# KiCad board fpga_panelized.kicad_pcb
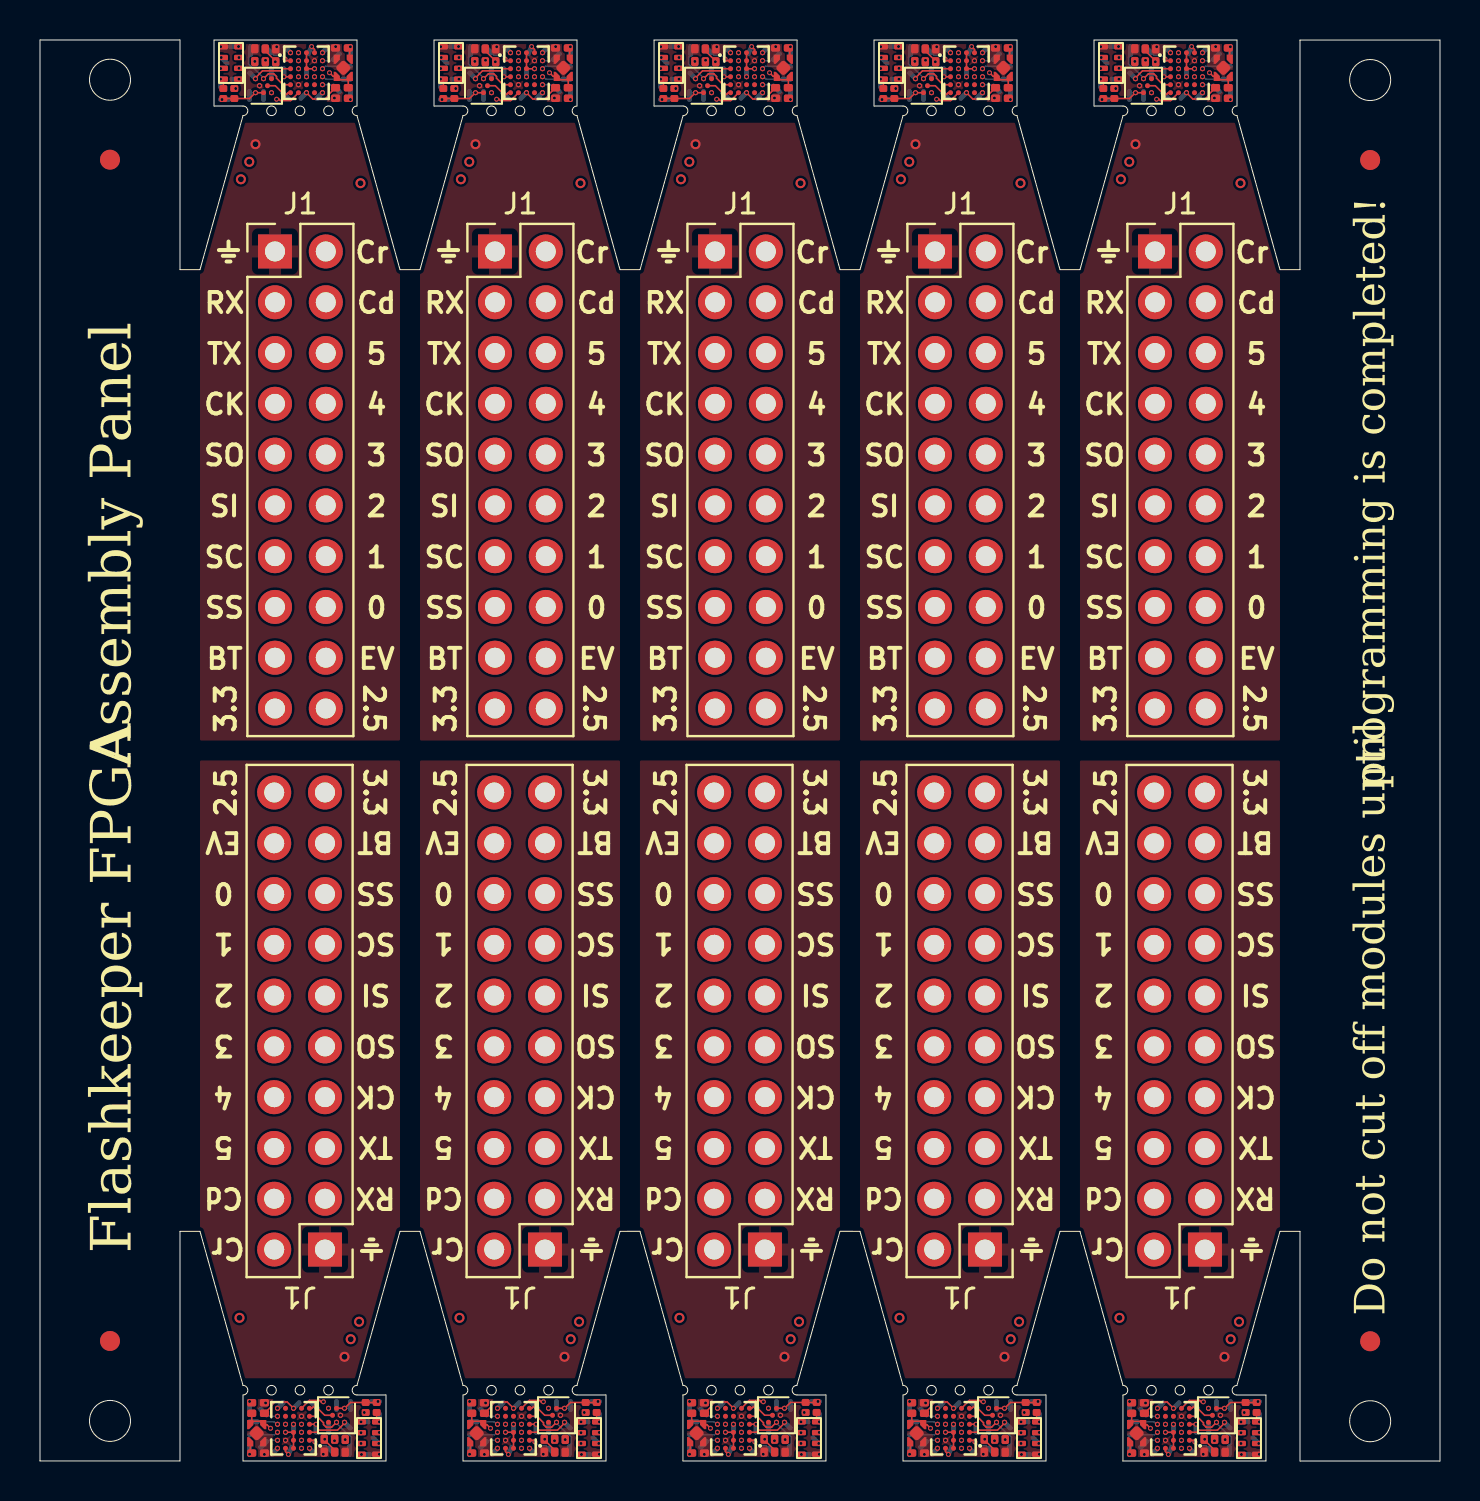
[diagram p0: board, top side]
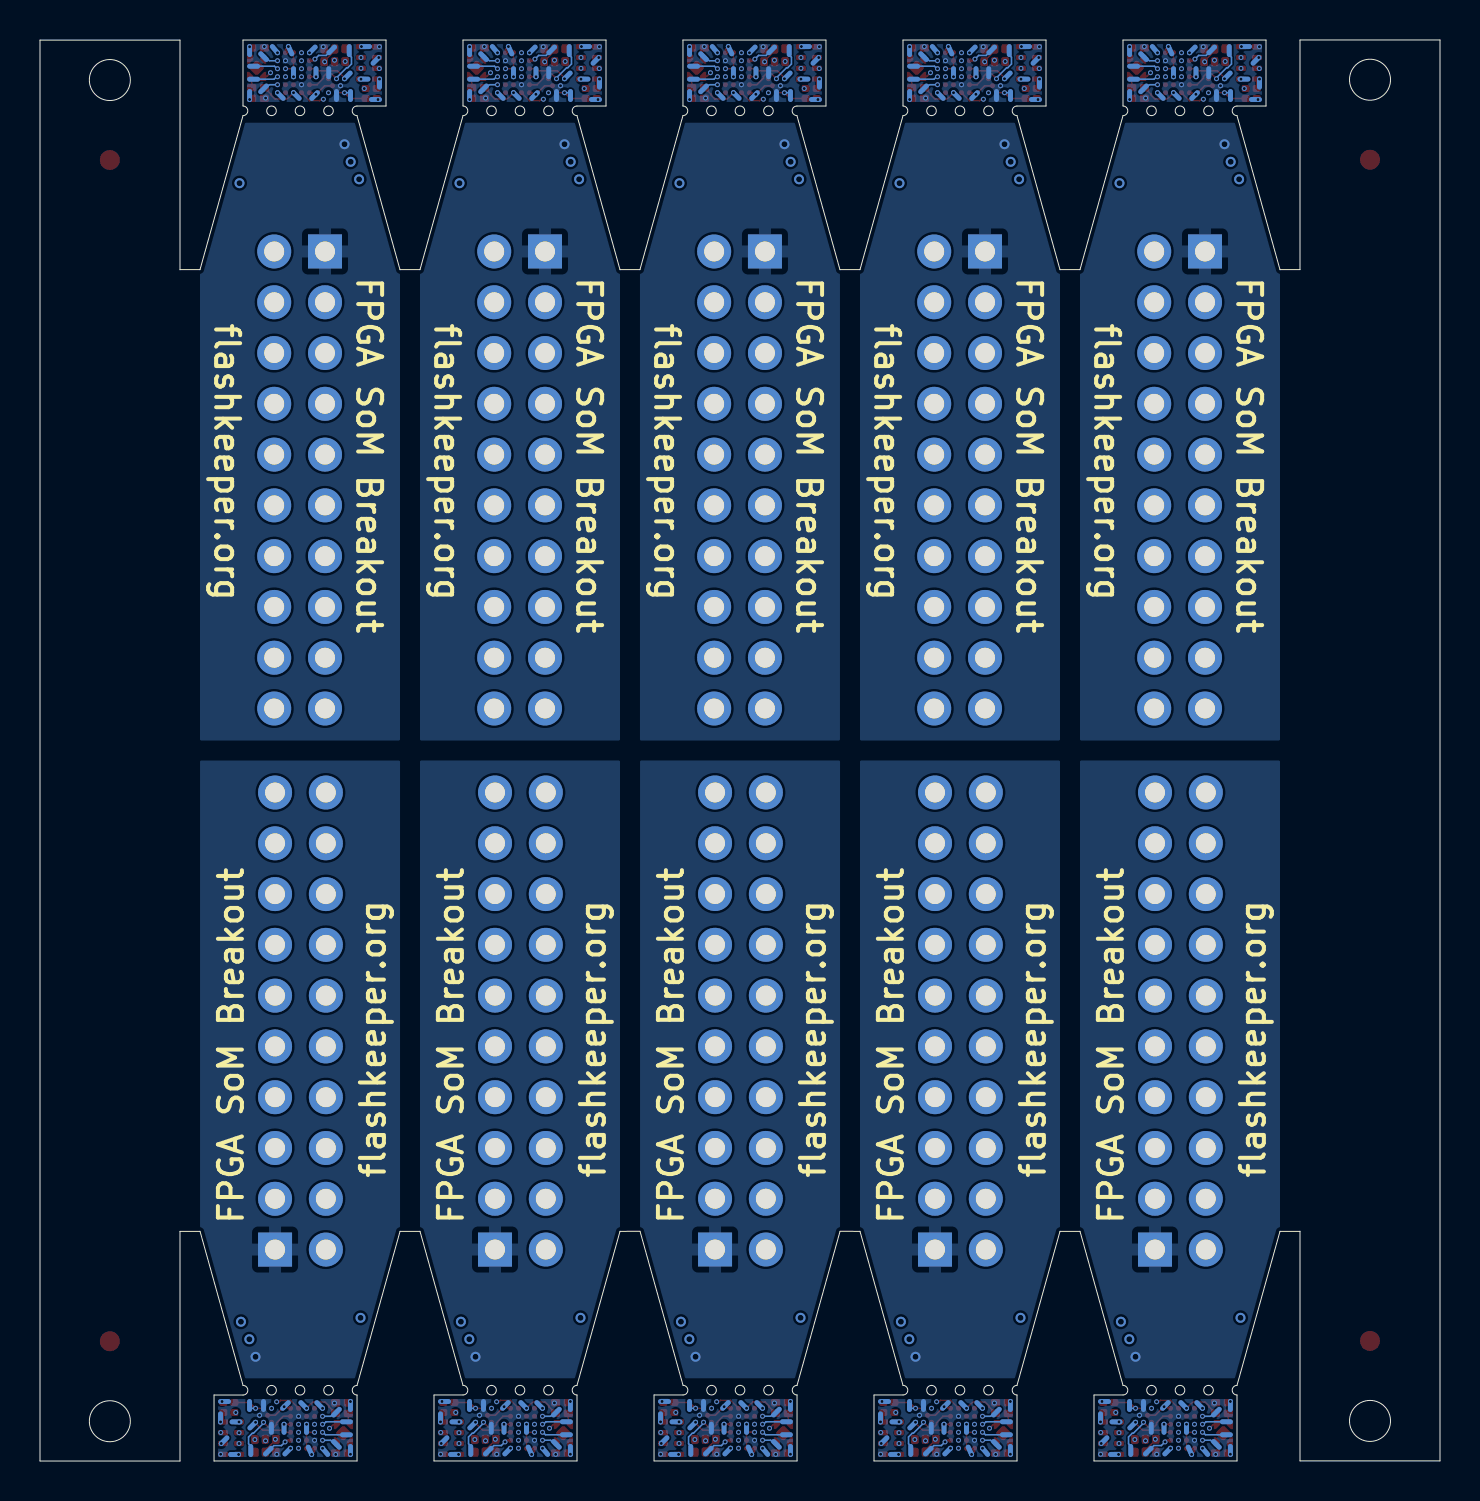
[diagram p1: board, bottom side, seen from below]

Outline 70 x 71.08 mm; copper layers: Top, In1.Cu, In2.Cu, In3.Cu, In4.Cu, Bottom. Coordinates in mm from the lower left corner of the outline.
Outline path: circle c3.5,69.09 r1.03 ; circle c3.5,2.01 r1.03 ; circle c11.57,67.53 r0.24 ; circle c11.58,3.54 r0.24 ; circle c13,67.53 r0.24 ; circle c13,3.54 r0.24 ; circle c14.42,67.53 r0.24 ; circle c14.43,3.54 r0.24 ; circle c22.57,67.53 r0.24 ; circle c22.58,3.54 r0.24 ; circle c24,67.53 r0.24 ; circle c24,3.54 r0.24 ; circle c25.42,67.53 r0.24 ; circle c25.43,3.54 r0.24 ; circle c33.57,3.54 r0.24 ; circle c33.58,67.53 r0.24 ; circle c35,3.54 r0.24 ; circle c35,67.53 r0.24 ; circle c36.42,3.54 r0.24 ; circle c36.43,67.53 r0.24 ; circle c44.57,67.53 r0.24 ; circle c44.58,3.54 r0.24 ; circle c46,67.53 r0.24 ; circle c46,3.54 r0.24 ; circle c47.42,67.53 r0.24 ; circle c47.43,3.54 r0.24 ; circle c55.57,3.54 r0.24 ; circle c55.57,67.53 r0.24 ; circle c57,3.54 r0.24 ; circle c57,67.53 r0.24 ; circle c58.42,3.54 r0.24 ; circle c58.42,67.53 r0.24 ; circle c66.51,69.07 r1.03 ; circle c66.51,1.99 r1.03 ; 7,59.59 8,59.59 ; 7,59.59 7,71.08 0,71.08 0,0.01 7,0.01 7,11.49 ; 7,11.49 8,11.49 10.15,3.78 arc(10.39,3.54) 10.15,3.3 10.15,0 17.3,0 17.3,3.3 15.85,3.3 arc(15.61,3.54) 15.85,3.78 18,11.49 19,11.49 21.15,3.78 arc(21.39,3.54) 21.15,3.3 21.15,0 28.3,0 28.3,3.3 26.85,3.3 arc(26.61,3.54) 26.85,3.78 29,11.49 30,11.49 32.15,3.78 arc(32.39,3.54) 32.15,3.3 32.15,0 39.3,0 39.3,3.3 37.85,3.3 arc(37.61,3.54) 37.85,3.78 40,11.49 41,11.49 43.15,3.78 arc(43.39,3.54) 43.15,3.3 43.15,0 50.3,0 50.3,3.3 48.85,3.3 arc(48.61,3.54) 48.85,3.78 51,11.49 52,11.49 ; 8,59.59 10.15,67.29 arc(10.39,67.53) 10.15,67.77 8.7,67.77 8.7,71.07 15.85,71.07 15.85,67.77 arc(15.61,67.53) 15.85,67.29 18,59.59 19,59.59 21.15,67.29 arc(21.39,67.53) 21.15,67.77 19.7,67.77 19.7,71.07 26.85,71.07 26.85,67.77 arc(26.61,67.53) 26.85,67.29 29,59.59 30,59.59 32.15,67.29 arc(32.39,67.53) 32.15,67.77 30.7,67.77 30.7,71.07 37.85,71.07 37.85,67.77 arc(37.61,67.53) 37.85,67.29 40,59.59 41,59.59 43.15,67.29 arc(43.39,67.53) 43.15,67.77 41.7,67.77 41.7,71.07 48.85,71.07 48.85,67.77 arc(48.61,67.53) 48.85,67.29 51,59.59 52,59.59 54.15,67.29 arc(54.39,67.53) 54.15,67.77 52.7,67.77 52.7,71.07 59.85,71.07 59.85,67.77 arc(59.61,67.53) 59.85,67.29 62,59.59 63,59.59 ; 52,11.49 54.15,3.78 arc(54.39,3.54) 54.15,3.3 54.15,0 61.3,0 61.3,3.3 59.85,3.3 arc(59.61,3.54) 59.85,3.78 62,11.49 63,11.48 ; 63,59.58 63,71.07 70,71.07 70,0 63,0 63,11.48
Stack: Top 0.035mm / dielectric 0.1mm FR4 er 4.5 / In1.Cu 0.035mm / dielectric 0.135mm FR4 er 4.5 / In2.Cu 0.035mm / dielectric 0.1mm FR4 er 4.5 / In3.Cu 0.035mm / dielectric 0.135mm FR4 er 4.5 / In4.Cu 0.035mm / dielectric 0.1mm FR4 er 4.5 / Bottom 0.035mm

## Placement (name value [footprint] x y rotation side)
C1  4.7 uF  [C_Smaller_0201]  11.79 70.31 90 top
C1#2  4.7 uF  [C_Smaller_0201]  44.79 70.31 90 top  (not fitted)
C1#3  4.7 uF  [C_Smaller_0201]  25.21 0.77 270 top  (not fitted)
C1#4  4.7 uF  [C_Smaller_0201]  55.79 70.31 90 top
C1#5  4.7 uF  [C_Smaller_0201]  58.21 0.77 270 top  (not fitted)
C1#6  4.7 uF  [C_Smaller_0201]  36.21 0.77 270 top
C1#7  4.7 uF  [C_Smaller_0201]  47.21 0.77 270 top  (not fitted)
C1#8  4.7 uF  [C_Smaller_0201]  22.79 70.31 90 top  (not fitted)
C1#9  4.7 uF  [C_Smaller_0201]  14.21 0.77 270 top  (not fitted)
C1#10  4.7 uF  [C_Smaller_0201]  33.79 70.31 90 top  (not fitted)
C2  4.7 uF  [C_Smaller_0201]  37.1 70.68 180 top  (not fitted)
C2#2  4.7 uF  [C_Smaller_0201]  15.09 70.68 180 top
C2#3  4.7 uF  [C_Smaller_0201]  54.9 0.4 0 top  (not fitted)
C2#4  4.7 uF  [C_Smaller_0201]  10.91 0.4 0 top  (not fitted)
C2#5  4.7 uF  [C_Smaller_0201]  48.09 70.68 180 top  (not fitted)
C2#6  4.7 uF  [C_Smaller_0201]  21.91 0.4 0 top  (not fitted)
C2#7  4.7 uF  [C_Smaller_0201]  26.09 70.68 180 top  (not fitted)
C2#8  4.7 uF  [C_Smaller_0201]  59.09 70.68 180 top
C2#9  4.7 uF  [C_Smaller_0201]  32.9 0.4 0 top
C2#10  4.7 uF  [C_Smaller_0201]  43.91 0.4 0 top  (not fitted)
C3  4.7 uF  [C_Smaller_0201]  32.74 70.32 270 top  (not fitted)
C3#2  4.7 uF  [C_Smaller_0201]  21.74 70.32 270 top  (not fitted)
C3#3  4.7 uF  [C_Smaller_0201]  59.26 0.76 90 top  (not fitted)
C3#4  4.7 uF  [C_Smaller_0201]  43.74 70.32 270 top  (not fitted)
C3#5  4.7 uF  [C_Smaller_0201]  48.26 0.76 90 top  (not fitted)
C3#6  4.7 uF  [C_Smaller_0201]  54.74 70.32 270 top
C3#7  4.7 uF  [C_Smaller_0201]  15.26 0.76 90 top  (not fitted)
C3#8  4.7 uF  [C_Smaller_0201]  10.74 70.32 270 top
C3#9  4.7 uF  [C_Smaller_0201]  26.26 0.76 90 top  (not fitted)
C3#10  4.7 uF  [C_Smaller_0201]  37.26 0.76 90 top
C4  4.7 uF  [C_Smaller_0201]  37.1 68.16 0 top  (not fitted)
C4#2  4.7 uF  [C_Smaller_0201]  26.1 68.16 0 top  (not fitted)
C4#3  4.7 uF  [C_Smaller_0201]  10.9 2.91 180 top  (not fitted)
C4#4  4.7 uF  [C_Smaller_0201]  54.9 2.91 180 top  (not fitted)
C4#5  4.7 uF  [C_Smaller_0201]  59.1 68.16 0 top
C4#6  4.7 uF  [C_Smaller_0201]  21.9 2.91 180 top  (not fitted)
C4#7  4.7 uF  [C_Smaller_0201]  43.9 2.91 180 top  (not fitted)
C4#8  4.7 uF  [C_Smaller_0201]  48.1 68.16 0 top  (not fitted)
C4#9  4.7 uF  [C_Smaller_0201]  15.1 68.16 0 top
C4#10  4.7 uF  [C_Smaller_0201]  32.9 2.92 180 top
J1  Conn_02x09_Odd_Even  [PinHeader_2x10_P2.54mm_Vertical]  11.75 60.5 0 top  (not fitted)
J1#2  Conn_02x09_Odd_Even  [PinHeader_2x10_P2.54mm_Vertical]  55.75 60.5 0 top  (not fitted)
J1#3  Conn_02x09_Odd_Even  [PinHeader_2x10_P2.54mm_Vertical]  44.75 60.5 0 top  (not fitted)
J1#4  Conn_02x09_Odd_Even  [PinHeader_2x10_P2.54mm_Vertical]  33.75 60.5 0 top  (not fitted)
J1#5  Conn_02x09_Odd_Even  [PinHeader_2x10_P2.54mm_Vertical]  47.25 10.58 180 top  (not fitted)
J1#6  Conn_02x09_Odd_Even  [PinHeader_2x10_P2.54mm_Vertical]  22.75 60.5 0 top  (not fitted)
J1#7  Conn_02x09_Odd_Even  [PinHeader_2x10_P2.54mm_Vertical]  36.25 10.58 180 top  (not fitted)
J1#8  Conn_02x09_Odd_Even  [PinHeader_2x10_P2.54mm_Vertical]  58.25 10.58 180 top  (not fitted)
J1#9  Conn_02x09_Odd_Even  [PinHeader_2x10_P2.54mm_Vertical]  14.25 10.58 180 top  (not fitted)
J1#10  Conn_02x09_Odd_Even  [PinHeader_2x10_P2.54mm_Vertical]  25.25 10.58 180 top  (not fitted)
R1  10k  [R_Smaller_0201]  48.09 68.69 180 top  (not fitted)
R1#2  10k  [R_Smaller_0201]  15.09 68.69 180 top
R1#3  10k  [R_Smaller_0201]  43.91 2.39 0 top  (not fitted)
R1#4  10k  [R_Smaller_0201]  32.9 2.39 0 top
R1#5  10k  [R_Smaller_0201]  37.1 68.69 180 top  (not fitted)
R1#6  10k  [R_Smaller_0201]  59.09 68.69 180 top
R1#7  10k  [R_Smaller_0201]  54.9 2.39 0 top  (not fitted)
R1#8  10k  [R_Smaller_0201]  10.91 2.39 0 top  (not fitted)
R1#9  10k  [R_Smaller_0201]  21.91 2.39 0 top  (not fitted)
R1#10  10k  [R_Smaller_0201]  26.09 68.69 180 top  (not fitted)
R3  100  [R_Smaller_0201]  25.73 0.77 270 top  (not fitted)
R3#2  100  [R_Smaller_0201]  47.74 0.77 270 top  (not fitted)
R3#3  100  [R_Smaller_0201]  58.73 0.77 270 top  (not fitted)
R3#4  100  [R_Smaller_0201]  33.27 70.31 90 top  (not fitted)
R3#5  100  [R_Smaller_0201]  44.27 70.31 90 top  (not fitted)
R3#6  100  [R_Smaller_0201]  11.27 70.31 90 top
R3#7  100  [R_Smaller_0201]  14.73 0.77 270 top  (not fitted)
R3#8  100  [R_Smaller_0201]  22.27 70.31 90 top  (not fitted)
R3#9  100  [R_Smaller_0201]  55.27 70.31 90 top
R3#10  100  [R_Smaller_0201]  36.73 0.77 270 top
REF**  -  [Fiducial_1mm_Mask2mm]  3.5 65.09 0 top
REF**#2  -  [Fiducial_1mm_Mask2mm]  66.51 65.07 0 top
REF**#3  -  [Fiducial_1mm_Mask2mm]  3.5 6.01 0 top
REF**#4  -  [Fiducial_1mm_Mask2mm]  66.51 5.99 0 top
RN1  10k  [YC102]  42.44 68.4 0 top  (not fitted)
RN1#2  10k  [YC102]  31.44 68.4 0 top  (not fitted)
RN1#3  10k  [YC102]  16.56 2.68 180 top  (not fitted)
RN1#4  10k  [YC102]  38.56 2.68 180 top
RN1#5  10k  [YC102]  60.56 2.68 180 top  (not fitted)
RN1#6  10k  [YC102]  27.56 2.68 180 top  (not fitted)
RN1#7  10k  [YC102]  49.56 2.68 180 top  (not fitted)
RN1#8  10k  [YC102]  9.44 68.4 0 top
RN1#9  10k  [YC102]  20.44 68.4 0 top  (not fitted)
RN1#10  10k  [YC102]  53.44 68.4 0 top
TP1  ~  [FPGACenterPad]  13.32 69.24 0 top
TP1#2  ~  [FPGACenterPad]  45.68 1.84 180 top
TP1#3  ~  [FPGACenterPad]  24.32 69.24 0 top
TP1#4  ~  [FPGACenterPad]  57.32 69.24 0 top
TP1#5  ~  [FPGACenterPad]  56.67 1.84 180 top
TP1#6  ~  [FPGACenterPad]  35.33 69.24 0 top
TP1#7  ~  [FPGACenterPad]  23.68 1.84 180 top
TP1#8  ~  [FPGACenterPad]  34.67 1.84 180 top
TP1#9  ~  [FPGACenterPad]  12.68 1.84 180 top
TP1#10  ~  [FPGACenterPad]  46.32 69.24 0 top
TP2  ~  [FPGACenterPad]  44.88 0.64 140 top
TP2#2  ~  [FPGACenterPad]  11.88 0.64 140 top
TP2#3  ~  [FPGACenterPad]  47.12 70.44 320 top
TP2#4  ~  [FPGACenterPad]  25.12 70.44 320 top
TP2#5  ~  [FPGACenterPad]  58.12 70.44 320 top
TP2#6  ~  [FPGACenterPad]  14.12 70.44 320 top
TP2#7  ~  [FPGACenterPad]  22.88 0.64 140 top
TP2#8  ~  [FPGACenterPad]  55.87 0.64 140 top
TP2#9  ~  [FPGACenterPad]  33.87 0.64 140 top
TP2#10  ~  [FPGACenterPad]  36.13 70.44 320 top
TP3  ~  [FPGACenterPad]  33.32 0.97 135 top
TP3#2  ~  [FPGACenterPad]  47.68 70.1 315 top
TP3#3  ~  [FPGACenterPad]  14.68 70.1 315 top
TP3#4  ~  [FPGACenterPad]  58.68 70.1 315 top
TP3#5  ~  [FPGACenterPad]  44.32 0.97 135 top
TP3#6  ~  [FPGACenterPad]  11.32 0.97 135 top
TP3#7  ~  [FPGACenterPad]  22.32 0.97 135 top
TP3#8  ~  [FPGACenterPad]  36.68 70.1 315 top
TP3#9  ~  [FPGACenterPad]  25.68 70.1 315 top
TP3#10  ~  [FPGACenterPad]  55.32 0.97 135 top
TP4  ~  [FPGACenterPad]  43.48 1.31 270 top
TP4#2  ~  [FPGACenterPad]  54.48 1.31 270 top
TP4#3  ~  [FPGACenterPad]  37.52 69.76 90 top
TP4#4  ~  [FPGACenterPad]  32.48 1.31 270 top
TP4#5  ~  [FPGACenterPad]  48.52 69.76 90 top
TP4#6  ~  [FPGACenterPad]  15.52 69.76 90 top
TP4#7  ~  [FPGACenterPad]  59.52 69.76 90 top
TP4#8  ~  [FPGACenterPad]  26.52 69.76 90 top
TP4#9  ~  [FPGACenterPad]  21.48 1.31 270 top
TP4#10  ~  [FPGACenterPad]  10.48 1.31 270 top
TP5  ~  [FPGACenterPad]  25.68 68.77 225 top
TP5#2  ~  [FPGACenterPad]  36.68 68.77 225 top
TP5#3  ~  [FPGACenterPad]  14.68 68.77 225 top
TP5#4  ~  [FPGACenterPad]  33.32 2.3 45 top
TP5#5  ~  [FPGACenterPad]  11.32 2.3 45 top
TP5#6  ~  [FPGACenterPad]  22.32 2.3 45 top
TP5#7  ~  [FPGACenterPad]  58.68 68.77 225 top
TP5#8  ~  [FPGACenterPad]  44.32 2.3 45 top
TP5#9  ~  [FPGACenterPad]  55.32 2.3 45 top
TP5#10  ~  [FPGACenterPad]  47.68 68.77 225 top
TP6  ~  [FPGACenterPad]  43.48 1.96 270 top
TP6#2  ~  [FPGACenterPad]  26.52 69.11 90 top
TP6#3  ~  [FPGACenterPad]  15.52 69.11 90 top
TP6#4  ~  [FPGACenterPad]  37.52 69.11 90 top
TP6#5  ~  [FPGACenterPad]  21.48 1.96 270 top
TP6#6  ~  [FPGACenterPad]  59.52 69.11 90 top
TP6#7  ~  [FPGACenterPad]  10.48 1.96 270 top
TP6#8  ~  [FPGACenterPad]  32.48 1.96 270 top
TP6#9  ~  [FPGACenterPad]  54.48 1.96 270 top
TP6#10  ~  [FPGACenterPad]  48.52 69.11 90 top
TP7  ~  [FPGACenterPad]  44.88 2.64 315 top
TP7#2  ~  [FPGACenterPad]  22.88 2.64 315 top
TP7#3  ~  [FPGACenterPad]  33.87 2.64 315 top
TP7#4  ~  [FPGACenterPad]  36.13 68.44 135 top
TP7#5  ~  [FPGACenterPad]  55.87 2.64 315 top
TP7#6  ~  [FPGACenterPad]  11.88 2.64 315 top
TP7#7  ~  [FPGACenterPad]  25.12 68.44 135 top
TP7#8  ~  [FPGACenterPad]  47.12 68.44 135 top
TP7#9  ~  [FPGACenterPad]  58.12 68.44 135 top
TP7#10  ~  [FPGACenterPad]  14.12 68.44 135 top
TP8  ~  [FPGACenterPad]  46.58 70.75 155 top
TP8#2  ~  [FPGACenterPad]  56.42 0.33 335 top
TP8#3  ~  [FPGACenterPad]  34.42 0.33 335 top
TP8#4  ~  [FPGACenterPad]  45.42 0.33 335 top
TP8#5  ~  [FPGACenterPad]  35.58 70.75 155 top
TP8#6  ~  [FPGACenterPad]  24.58 70.75 155 top
TP8#7  ~  [FPGACenterPad]  57.58 70.75 155 top
TP8#8  ~  [FPGACenterPad]  23.42 0.33 335 top
TP8#9  ~  [FPGACenterPad]  13.58 70.75 155 top
TP8#10  ~  [FPGACenterPad]  12.42 0.33 335 top
TP9  ~  [FPGACenterPad]  48.53 2.98 180 top
TP9#2  ~  [FPGACenterPad]  37.52 2.98 180 top
TP9#3  ~  [FPGACenterPad]  54.47 68.1 0 top
TP9#4  ~  [FPGACenterPad]  26.53 2.98 180 top
TP9#5  ~  [FPGACenterPad]  32.48 68.1 0 top
TP9#6  ~  [FPGACenterPad]  21.47 68.1 0 top
TP9#7  ~  [FPGACenterPad]  59.52 2.98 180 top
TP9#8  ~  [FPGACenterPad]  43.47 68.1 0 top
TP9#9  ~  [FPGACenterPad]  10.47 68.1 0 top
TP9#10  ~  [FPGACenterPad]  15.53 2.98 180 top
TP10  ~  [FPGACenterPad]  34.53 70.44 45 top
TP10#2  ~  [FPGACenterPad]  56.52 70.44 45 top
TP10#3  ~  [FPGACenterPad]  24.48 0.64 225 top
TP10#4  ~  [FPGACenterPad]  57.47 0.64 225 top
TP10#5  ~  [FPGACenterPad]  12.52 70.44 45 top
TP10#6  ~  [FPGACenterPad]  13.48 0.64 225 top
TP10#7  ~  [FPGACenterPad]  35.47 0.64 225 top
TP10#8  ~  [FPGACenterPad]  23.52 70.44 45 top
TP10#9  ~  [FPGACenterPad]  45.52 70.44 45 top
TP10#10  ~  [FPGACenterPad]  46.48 0.64 225 top
TP11  ~  [FPGACenterPad]  32 69.12 90 top
TP11#2  ~  [FPGACenterPad]  21 69.12 90 top
TP11#3  ~  [FPGACenterPad]  43 69.12 90 top
TP11#4  ~  [FPGACenterPad]  16 1.96 270 top
TP11#5  ~  [FPGACenterPad]  60 1.96 270 top
TP11#6  ~  [FPGACenterPad]  27 1.96 270 top
TP11#7  ~  [FPGACenterPad]  10 69.12 90 top
TP11#8  ~  [FPGACenterPad]  38 1.96 270 top
TP11#9  ~  [FPGACenterPad]  54 69.12 90 top
TP11#10  ~  [FPGACenterPad]  49 1.96 270 top
TP12  ~  [FPGACenterPad]  56.13 68.44 225 top
TP12#2  ~  [FPGACenterPad]  34.13 68.44 225 top
TP12#3  ~  [FPGACenterPad]  24.87 2.64 45 top
TP12#4  ~  [FPGACenterPad]  12.13 68.44 225 top
TP12#5  ~  [FPGACenterPad]  46.87 2.64 45 top
TP12#6  ~  [FPGACenterPad]  35.87 2.64 45 top
TP12#7  ~  [FPGACenterPad]  23.13 68.44 225 top
TP12#8  ~  [FPGACenterPad]  57.87 2.64 45 top
TP12#9  ~  [FPGACenterPad]  13.87 2.64 45 top
TP12#10  ~  [FPGACenterPad]  45.13 68.44 225 top
TP13  ~  [FPGACenterPad]  48.47 0.73 180 top
TP13#2  ~  [FPGACenterPad]  10.54 70.35 0 top
TP13#3  ~  [FPGACenterPad]  37.46 0.73 180 top
TP13#4  ~  [FPGACenterPad]  54.53 70.35 0 top
TP13#5  ~  [FPGACenterPad]  59.46 0.73 180 top
TP13#6  ~  [FPGACenterPad]  21.54 70.35 0 top
TP13#7  ~  [FPGACenterPad]  43.53 70.35 0 top
TP13#8  ~  [FPGACenterPad]  26.47 0.73 180 top
TP13#9  ~  [FPGACenterPad]  32.54 70.35 0 top
TP13#10  ~  [FPGACenterPad]  15.47 0.73 180 top
TP14  ~  [FPGACenterPad]  56.2 69.24 0 top
TP14#2  ~  [FPGACenterPad]  13.8 1.84 180 top
TP14#3  ~  [FPGACenterPad]  24.8 1.84 180 top
TP14#4  ~  [FPGACenterPad]  46.8 1.84 180 top
TP14#5  ~  [FPGACenterPad]  57.8 1.84 180 top
TP14#6  ~  [FPGACenterPad]  34.2 69.24 0 top
TP14#7  ~  [FPGACenterPad]  12.2 69.24 0 top
TP14#8  ~  [FPGACenterPad]  23.2 69.24 0 top
TP14#9  ~  [FPGACenterPad]  45.2 69.24 0 top
TP14#10  ~  [FPGACenterPad]  35.8 1.84 180 top
TP15  ~  [FPGACenterPad]  32.78 69.14 45 top
TP15#2  ~  [FPGACenterPad]  59.22 1.94 225 top
TP15#3  ~  [FPGACenterPad]  54.77 69.14 45 top
TP15#4  ~  [FPGACenterPad]  26.23 1.94 225 top
TP15#5  ~  [FPGACenterPad]  15.23 1.94 225 top
TP15#6  ~  [FPGACenterPad]  43.77 69.14 45 top
TP15#7  ~  [FPGACenterPad]  21.77 69.14 45 top
TP15#8  ~  [FPGACenterPad]  48.23 1.94 225 top
TP15#9  ~  [FPGACenterPad]  10.77 69.14 45 top
TP15#10  ~  [FPGACenterPad]  37.22 1.94 225 top
TP16  ~  [FPGACenterPad]  33.18 68.1 0 top
TP16#2  ~  [FPGACenterPad]  22.17 68.1 0 top
TP16#3  ~  [FPGACenterPad]  58.82 2.98 180 top
TP16#4  ~  [FPGACenterPad]  47.83 2.98 180 top
TP16#5  ~  [FPGACenterPad]  44.17 68.1 0 top
TP16#6  ~  [FPGACenterPad]  14.83 2.98 180 top
TP16#7  ~  [FPGACenterPad]  55.17 68.1 0 top
TP16#8  ~  [FPGACenterPad]  25.83 2.98 180 top
TP16#9  ~  [FPGACenterPad]  36.82 2.98 180 top
TP16#10  ~  [FPGACenterPad]  11.17 68.1 0 top
TP17  ~  [FPGACenterPad]  55.56 70.44 45 top
TP17#2  ~  [FPGACenterPad]  22.56 70.44 45 top
TP17#3  ~  [FPGACenterPad]  11.56 70.44 45 top
TP17#4  ~  [FPGACenterPad]  47.44 0.64 225 top
TP17#5  ~  [FPGACenterPad]  25.45 0.64 225 top
TP17#6  ~  [FPGACenterPad]  33.56 70.44 45 top
TP17#7  ~  [FPGACenterPad]  58.44 0.64 225 top
TP17#8  ~  [FPGACenterPad]  36.44 0.64 225 top
TP17#9  ~  [FPGACenterPad]  14.45 0.64 225 top
TP17#10  ~  [FPGACenterPad]  44.56 70.44 45 top
TP18  ~  [FPGACenterPad]  57.32 68.44 135 top
TP18#2  ~  [FPGACenterPad]  46.32 68.44 135 top
TP18#3  ~  [FPGACenterPad]  12.68 2.64 315 top
TP18#4  ~  [FPGACenterPad]  56.67 2.64 315 top
TP18#5  ~  [FPGACenterPad]  45.68 2.64 315 top
TP18#6  ~  [FPGACenterPad]  23.68 2.64 315 top
TP18#7  ~  [FPGACenterPad]  13.32 68.44 135 top
TP18#8  ~  [FPGACenterPad]  34.67 2.64 315 top
TP18#9  ~  [FPGACenterPad]  35.33 68.44 135 top
TP18#10  ~  [FPGACenterPad]  24.32 68.44 135 top
TP19  ~  [FPGACenterPad]  54.48 2.98 180 top
TP19#2  ~  [FPGACenterPad]  43.48 2.98 180 top
TP19#3  ~  [FPGACenterPad]  15.52 68.1 0 top
TP19#4  ~  [FPGACenterPad]  32.48 2.98 180 top
TP19#5  ~  [FPGACenterPad]  21.48 2.98 180 top
TP19#6  ~  [FPGACenterPad]  48.52 68.1 0 top
TP19#7  ~  [FPGACenterPad]  37.52 68.1 0 top
TP19#8  ~  [FPGACenterPad]  59.52 68.1 0 top
TP19#9  ~  [FPGACenterPad]  26.52 68.1 0 top
TP19#10  ~  [FPGACenterPad]  10.48 2.98 180 top
TP20  ~  [FPGACenterPad]  15.52 70.75 180 top
TP20#2  ~  [FPGACenterPad]  48.52 70.75 180 top
TP20#3  ~  [FPGACenterPad]  59.52 70.75 180 top
TP20#4  ~  [FPGACenterPad]  32.48 0.33 0 top
TP20#5  ~  [FPGACenterPad]  10.48 0.33 0 top
TP20#6  ~  [FPGACenterPad]  26.52 70.75 180 top
TP20#7  ~  [FPGACenterPad]  21.48 0.33 0 top
TP20#8  ~  [FPGACenterPad]  43.48 0.33 0 top
TP20#9  ~  [FPGACenterPad]  37.52 70.75 180 top
TP20#10  ~  [FPGACenterPad]  54.48 0.33 0 top
TP21  ~  [FPGACenterPad]  9.06 70.2 225 top
TP21#2  ~  [FPGACenterPad]  16.94 0.88 45 top
TP21#3  ~  [FPGACenterPad]  42.06 70.2 225 top
TP21#4  ~  [FPGACenterPad]  38.94 0.88 45 top
TP21#5  ~  [FPGACenterPad]  27.94 0.88 45 top
TP21#6  ~  [FPGACenterPad]  20.06 70.2 225 top
TP21#7  ~  [FPGACenterPad]  60.94 0.88 45 top
TP21#8  ~  [FPGACenterPad]  49.94 0.88 45 top
TP21#9  ~  [FPGACenterPad]  53.06 70.2 225 top
TP21#10  ~  [FPGACenterPad]  31.06 70.2 225 top
TP23  ~  [FPGACenterPad]  27.98 1.96 0 top
TP23#2  ~  [FPGACenterPad]  38.97 1.96 0 top
TP23#3  ~  [FPGACenterPad]  60.97 1.96 0 top
TP23#4  ~  [FPGACenterPad]  20.03 69.12 180 top
TP23#5  ~  [FPGACenterPad]  9.03 69.12 180 top
TP23#6  ~  [FPGACenterPad]  16.98 1.96 0 top
TP23#7  ~  [FPGACenterPad]  42.03 69.12 180 top
TP23#8  ~  [FPGACenterPad]  53.03 69.12 180 top
TP23#9  ~  [FPGACenterPad]  49.97 1.96 0 top
TP23#10  ~  [FPGACenterPad]  31.03 69.12 180 top
TP24  ~  [FPGACenterPad]  20.93 70.75 90 top
TP24#2  ~  [FPGACenterPad]  38.07 0.33 270 top
TP24#3  ~  [FPGACenterPad]  60.07 0.33 270 top
TP24#4  ~  [FPGACenterPad]  42.93 70.75 90 top
TP24#5  ~  [FPGACenterPad]  53.93 70.75 90 top
TP24#6  ~  [FPGACenterPad]  27.07 0.33 270 top
TP24#7  ~  [FPGACenterPad]  9.93 70.75 90 top
TP24#8  ~  [FPGACenterPad]  16.07 0.33 270 top
TP24#9  ~  [FPGACenterPad]  31.93 70.75 90 top
TP24#10  ~  [FPGACenterPad]  49.07 0.33 270 top
TP25  ~  [FPGACenterPad]  47.44 1.84 180 top
TP25#2  ~  [FPGACenterPad]  55.56 69.24 0 top
TP25#3  ~  [FPGACenterPad]  58.43 1.84 180 top
TP25#4  ~  [FPGACenterPad]  25.44 1.84 180 top
TP25#5  ~  [FPGACenterPad]  33.57 69.24 0 top
TP25#6  ~  [FPGACenterPad]  22.57 69.24 0 top
TP25#7  ~  [FPGACenterPad]  44.56 69.24 0 top
TP25#8  ~  [FPGACenterPad]  11.57 69.24 0 top
TP25#9  ~  [FPGACenterPad]  14.44 1.84 180 top
TP25#10  ~  [FPGACenterPad]  36.43 1.84 180 top
TP26  ~  [FPGACenterPad]  49.97 2.98 90 top
TP26#2  ~  [FPGACenterPad]  9.03 68.1 270 top
TP26#3  ~  [FPGACenterPad]  31.03 68.1 270 top
TP26#4  ~  [FPGACenterPad]  42.03 68.1 270 top
TP26#5  ~  [FPGACenterPad]  38.97 2.98 90 top
TP26#6  ~  [FPGACenterPad]  27.98 2.98 90 top
TP26#7  ~  [FPGACenterPad]  53.03 68.1 270 top
TP26#8  ~  [FPGACenterPad]  60.97 2.98 90 top
TP26#9  ~  [FPGACenterPad]  16.98 2.98 90 top
TP26#10  ~  [FPGACenterPad]  20.03 68.1 270 top
U1  ICE40UP5K-UWG30ITR  [BGA30N40P5X6_253X211X60N]  34.67 1.64 180 top  (not fitted)
U1#2  ICE40UP5K-UWG30ITR  [BGA30N40P5X6_253X211X60N]  56.67 1.64 180 top  (not fitted)
U1#3  ICE40UP5K-UWG30ITR  [BGA30N40P5X6_253X211X60N]  46.32 69.44 0 top  (not fitted)
U1#4  ICE40UP5K-UWG30ITR  [BGA30N40P5X6_253X211X60N]  24.32 69.44 0 top  (not fitted)
U1#5  ICE40UP5K-UWG30ITR  [BGA30N40P5X6_253X211X60N]  23.68 1.64 180 top  (not fitted)
U1#6  ICE40UP5K-UWG30ITR  [BGA30N40P5X6_253X211X60N]  45.68 1.64 180 top  (not fitted)
U1#7  ICE40UP5K-UWG30ITR  [BGA30N40P5X6_253X211X60N]  35.33 69.44 0 top  (not fitted)
U1#8  ICE40UP5K-UWG30ITR  [BGA30N40P5X6_253X211X60N]  57.32 69.44 0 top  (not fitted)
U1#9  ICE40UP5K-UWG30ITR  [BGA30N40P5X6_253X211X60N]  13.32 69.44 0 top
U1#10  ICE40UP5K-UWG30ITR  [BGA30N40P5X6_253X211X60N]  12.68 1.64 180 top  (not fitted)
U2  TPS7A2012PDQNR  [Texas_X2SON-4_1x1mm_P0.65mm]  43.84 1.39 90 top  (not fitted)
U2#2  TPS7A2012PDQNR  [Texas_X2SON-4_1x1mm_P0.65mm]  59.16 69.68 270 top
U2#3  TPS7A2012PDQNR  [Texas_X2SON-4_1x1mm_P0.65mm]  32.83 1.39 90 top
U2#4  TPS7A2012PDQNR  [Texas_X2SON-4_1x1mm_P0.65mm]  48.16 69.68 270 top  (not fitted)
U2#5  TPS7A2012PDQNR  [Texas_X2SON-4_1x1mm_P0.65mm]  21.84 1.39 90 top  (not fitted)
U2#6  TPS7A2012PDQNR  [Texas_X2SON-4_1x1mm_P0.65mm]  10.84 1.39 90 top  (not fitted)
U2#7  TPS7A2012PDQNR  [Texas_X2SON-4_1x1mm_P0.65mm]  15.16 69.68 270 top
U2#8  TPS7A2012PDQNR  [Texas_X2SON-4_1x1mm_P0.65mm]  37.17 69.68 270 top  (not fitted)
U2#9  TPS7A2012PDQNR  [Texas_X2SON-4_1x1mm_P0.65mm]  26.16 69.68 270 top  (not fitted)
U2#10  TPS7A2012PDQNR  [Texas_X2SON-4_1x1mm_P0.65mm]  54.83 1.39 90 top  (not fitted)
U3  AT25DF041B-UUN-T  [WLCSP-8_1.58x1.63x0.35mm_Layout3x5_P0.35x0.4mm_Ball0.25mm_Pad0.25mm_NSMD]  58.82 2.29 270 top  (not fitted)
U3#2  AT25DF041B-UUN-T  [WLCSP-8_1.58x1.63x0.35mm_Layout3x5_P0.35x0.4mm_Ball0.25mm_Pad0.25mm_NSMD]  22.17 68.79 90 top  (not fitted)
U3#3  AT25DF041B-UUN-T  [WLCSP-8_1.58x1.63x0.35mm_Layout3x5_P0.35x0.4mm_Ball0.25mm_Pad0.25mm_NSMD]  55.17 68.79 90 top
U3#4  AT25DF041B-UUN-T  [WLCSP-8_1.58x1.63x0.35mm_Layout3x5_P0.35x0.4mm_Ball0.25mm_Pad0.25mm_NSMD]  36.82 2.29 270 top
U3#5  AT25DF041B-UUN-T  [WLCSP-8_1.58x1.63x0.35mm_Layout3x5_P0.35x0.4mm_Ball0.25mm_Pad0.25mm_NSMD]  14.83 2.29 270 top  (not fitted)
U3#6  AT25DF041B-UUN-T  [WLCSP-8_1.58x1.63x0.35mm_Layout3x5_P0.35x0.4mm_Ball0.25mm_Pad0.25mm_NSMD]  44.17 68.79 90 top  (not fitted)
U3#7  AT25DF041B-UUN-T  [WLCSP-8_1.58x1.63x0.35mm_Layout3x5_P0.35x0.4mm_Ball0.25mm_Pad0.25mm_NSMD]  11.17 68.79 90 top
U3#8  AT25DF041B-UUN-T  [WLCSP-8_1.58x1.63x0.35mm_Layout3x5_P0.35x0.4mm_Ball0.25mm_Pad0.25mm_NSMD]  25.83 2.29 270 top  (not fitted)
U3#9  AT25DF041B-UUN-T  [WLCSP-8_1.58x1.63x0.35mm_Layout3x5_P0.35x0.4mm_Ball0.25mm_Pad0.25mm_NSMD]  33.18 68.79 90 top  (not fitted)
U3#10  AT25DF041B-UUN-T  [WLCSP-8_1.58x1.63x0.35mm_Layout3x5_P0.35x0.4mm_Ball0.25mm_Pad0.25mm_NSMD]  47.83 2.29 270 top  (not fitted)
U4  -  [RV-3028-C8]  42.55 69.93 90 top  (not fitted)
U4#2  -  [RV-3028-C8]  31.55 69.93 90 top  (not fitted)
U4#3  -  [RV-3028-C8]  60.45 1.15 270 top  (not fitted)
U4#4  -  [RV-3028-C8]  16.45 1.15 270 top  (not fitted)
U4#5  -  [RV-3028-C8]  53.55 69.93 90 top  (not fitted)
U4#6  -  [RV-3028-C8]  49.45 1.15 270 top  (not fitted)
U4#7  -  [RV-3028-C8]  27.45 1.15 270 top  (not fitted)
U4#8  -  [RV-3028-C8]  20.55 69.93 90 top  (not fitted)
U4#9  -  [RV-3028-C8]  38.45 1.15 270 top  (not fitted)
U4#10  -  [RV-3028-C8]  9.55 69.93 90 top  (not fitted)
